# Altium PCB knixx_HAT_00.PcbDoc
Units mm, origin at the board's own origin, x right, y up, seen from the top; angles counter-clockwise.
Board outline 65 x 56 mm, 2 copper layers (Top Layer, Bottom Layer), stack 1.571 mm thick; 56 components, 55 nets, 214 pads, 43 vias.
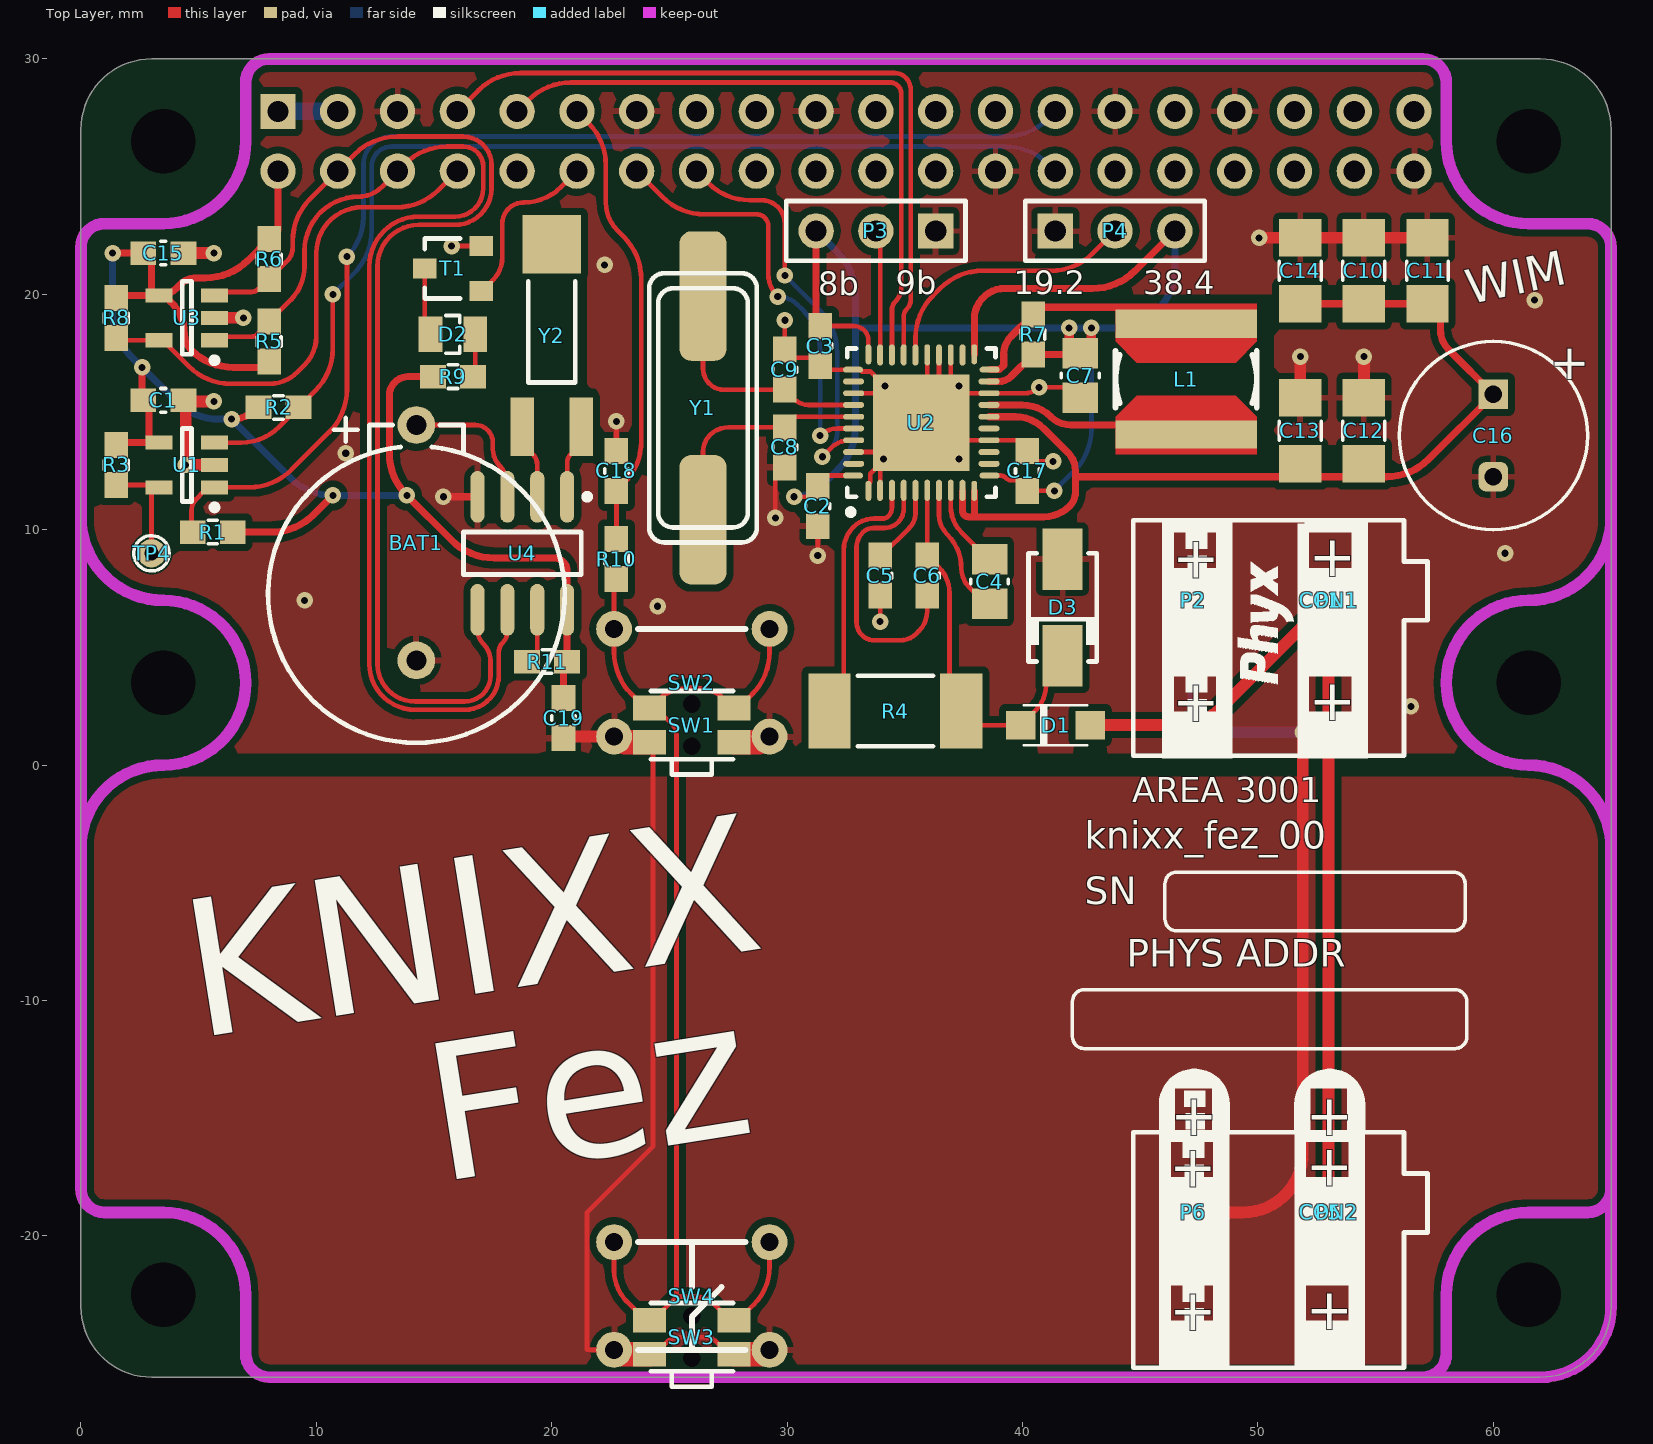
[diagram p0: Top Layer view]
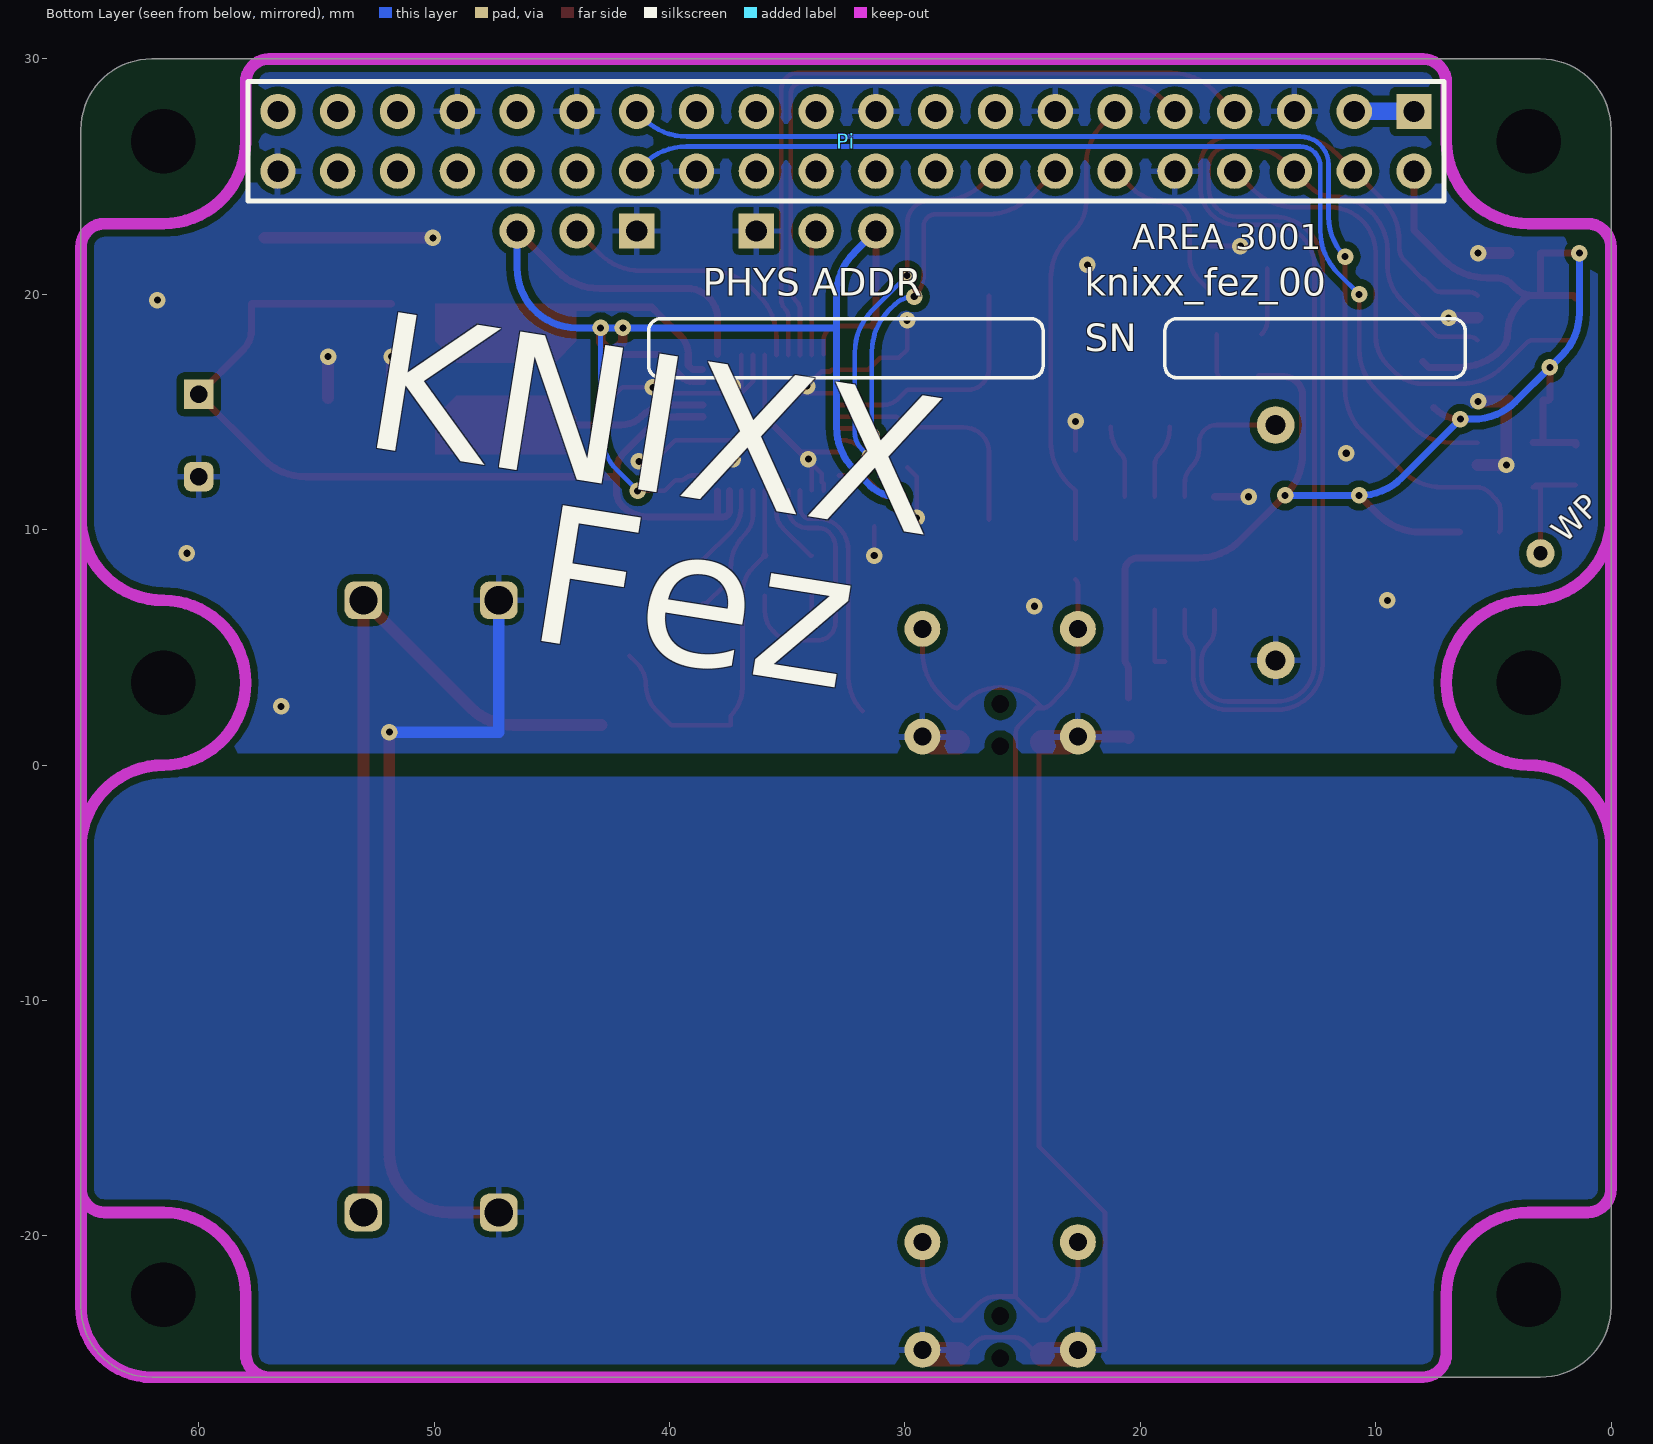
[diagram p1: Bottom Layer view, seen from below]
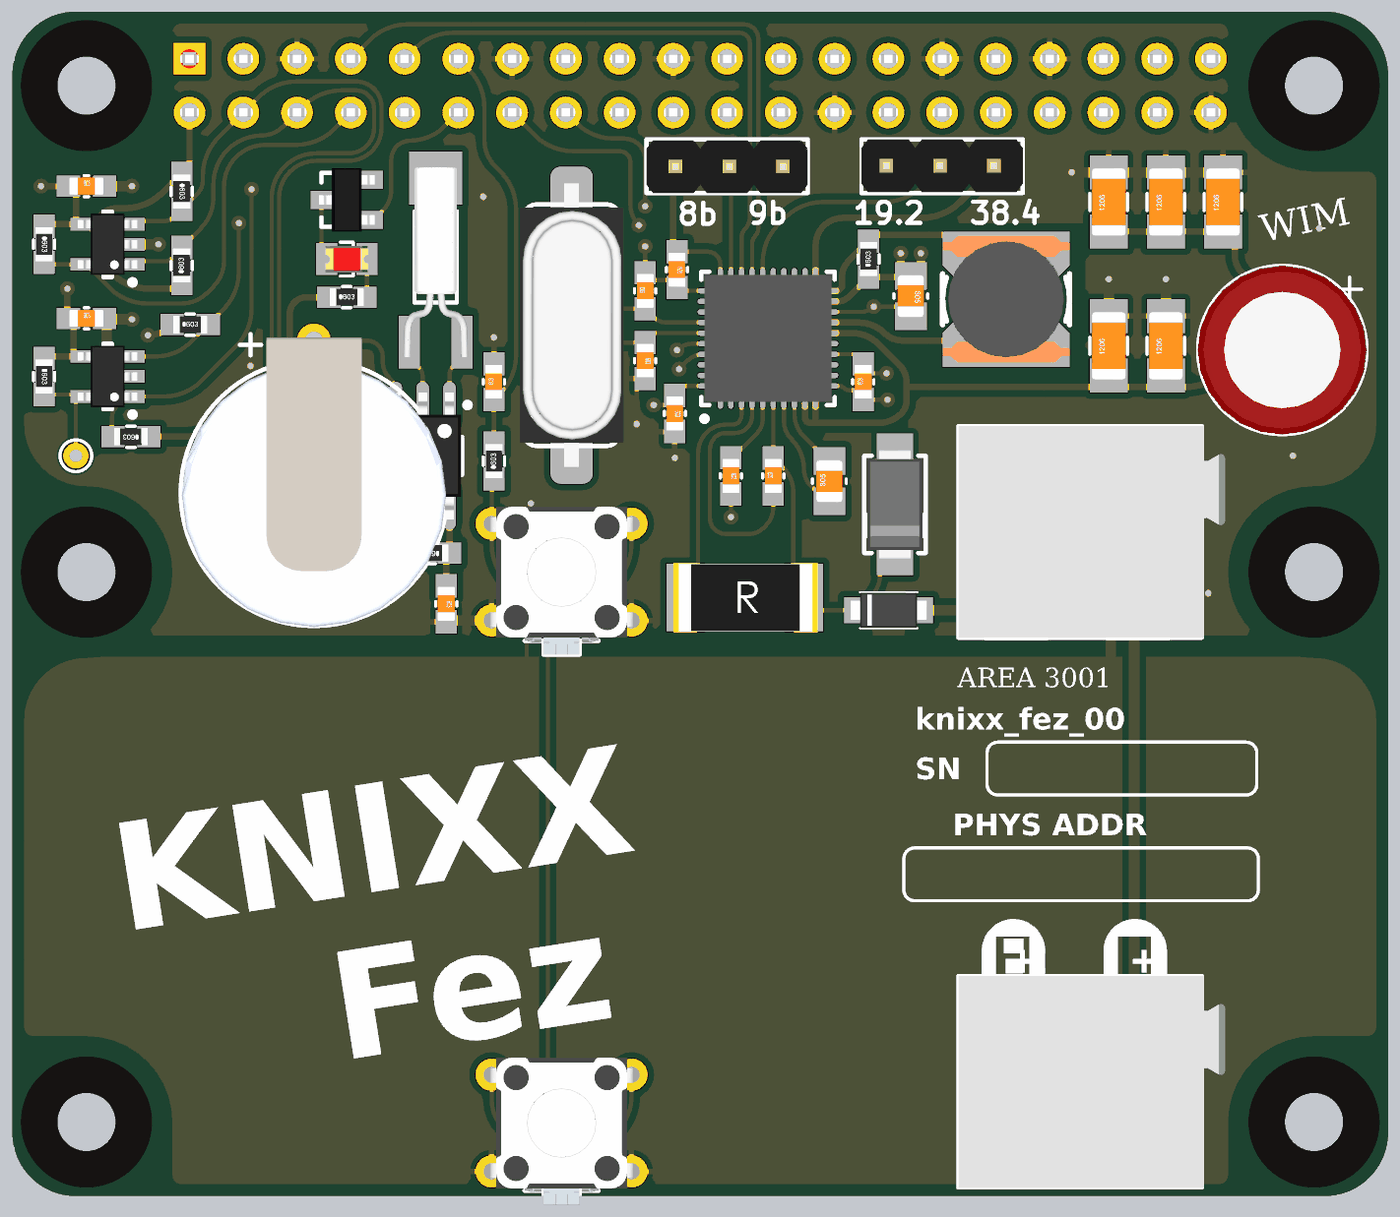
[diagram p2: 3D render of the assembled board from above, using the file's embedded part models]

## Layer stack, top to bottom
Top Solder: solder mask 0.0102, Solder Resist, Dk 3.5
Top Layer: signal copper 0.0356
Dielectric1: core 1.5, FR-4, Dk 4.8
Bottom Layer: signal copper 0.0356
Bottom Solder: solder mask 0.0102, Solder Resist, Dk 3.5

## Board outline
0,-23 0,27 cw(c3,27) 3,30 62,30 cw(c62,27) 65,27 65,-23 cw(c62,-23) 62,-26 3,-26 cw(c3,-23)

## Design rules (kind name [scope] priority, off if disabled: settings)
Clearance Clearance_GND_POLY [InNamedPolygon('B_GND')] p1: gap=0.4 ignorepadtopadclearanceinfootprint=FALSE except(0: Arc-Hole Track-Hole SMDPad-Hole THPad-Hole Via-Hole Fill-Hole Poly-Hole Region-Hole Text-Hole)
Clearance [All] p2: gap=0.15 ignorepadtopadclearanceinfootprint=FALSE except(0: Arc-Hole Track-Hole SMDPad-Hole THPad-Hole Via-Hole Fill-Hole Poly-Hole Region-Hole Text-Hole; 0.3: Arc-Poly Track-Poly SMDPad-Poly THPad-Poly Via-Poly Fill-Poly Poly-Poly)
HoleSize [All] p1: absolutevalues=TRUE maxlimit=10 minlimit=0.025 maxpercent=80.000 minpercent=20.000
PolygonConnect PolygonConnect_VIA [IsVia] p1: connectstyle=Direct reliefconductorwidth=0.254 reliefentries=4 polygonreliefangle="90 Angle" airgapwidth=0.254
PolygonConnect [All] p2: connectstyle=Relief reliefconductorwidth=0.254 reliefentries=4 polygonreliefangle="90 Angle" airgapwidth=0.254
RoutingVias [All] p1: holewidth=0.3 width=0.7 viastyle="Through Hole" minholewidth=0.3 minwidth=0.7 maxholewidth=0.6 maxwidth=1.2
SilkToSolderMaskClearance SilkscreenOverComponentPads [IsPad] p1: minsilkscreentomaskgap=0.254 clearancetoexposedcopper=TRUE
SolderMaskExpansion [All] p1: expansion=0.05
Width [All] p1: maxlimit=2 minlimit=0.15 preferedwidth=0.25
28 further rules are at their usual default settings.

## Classes and differential pairs
net class POWER: 3V3 NetL1_2

## Components (designator, comment, footprint, x,y, rotation, side; value= is the part's Value field where it differs from the comment)
BAT1 "BR-1220/HFN 35mAh" BR-1220_HFN 14.25,7.25 r90 top value=1220
C1 "CAP_CERAMIC" C0603_N 3.5,15.5 r0 top value="100nF 16V"
C2 "CAP_CERAMIC" C0603_N 31.3,11 r270 top value="10nF 16V"
C3 "CAP_CERAMIC" C0603_N 31.4,17.8 r270 top value="10nF 16V"
C4 "CAP_CERAMIC" C0805_N 38.6,7.8 r90 top value="220nF 50V"
C5 "CAP_CERAMIC" C0603_N 33.95,8.05 r270 top value="100nF 50V"
C6 "CAP_CERAMIC" C0603_N 35.95,8.05 r90 top value="47nF 50V"
C7 "CAP_CERAMIC" C0805_N 42.45,16.55 r270 top value="10uF 10V"
C8 "CAP_CERAMIC" C0603_N 29.9,13.5 r270 top value=12pF
C9 "CAP_CERAMIC" C0603_N 29.9,16.8 r90 top value=12pF
C10 "CAP_CERAMIC" C1206_N 54.5,21 r90 top value="22uF 35V"
C11 "CAP_CERAMIC" C1206_N 57.2,21 r90 top value="22uF 35V"
C12 "CAP_CERAMIC" C1206_N 54.5,14.2 r90 top value="22uF 35V"
C13 "CAP_CERAMIC" C1206_N 51.8,14.2 r90 top value="22uF 35V"
C14 "CAP_CERAMIC" C1206_N 51.8,21 r90 top value="22uF 35V"
C15 "CAP_CERAMIC" C0603_N 3.5,21.75 r0 top value="100nF 16V"
C16 "CAP_POL" C_8x11.5_3.5mm 60,14 r270 top value="100uF 50V"
C17 "CAP_CERAMIC" C0603_N 40.2,12.5 r90 top value="100nF 16V"
C18 "CAP_CERAMIC" C0603_N 22.75,12.5 r90 top value="10nF 16V"
C19 "CAP_CERAMIC" C0603_N 20.5,2 r270 top value="100nF 16V"
CON1 "CONNECTOR FOR EIB APPLICATIONS PUSH-WIRE® CONNECTION" WAGO_243-211 53,7 r180 top value=243-211
CON2 "CONNECTOR FOR EIB APPLICATIONS PUSH-WIRE® CONNECTION" WAGO_243-211 53,-19 r180 top value=243-211
D1 "NTS260SFT1G  Schottky Rectifier, Single, 60 V, 2 A, SOD-123, 650 mV" ON_SOD-123FL 41.4,1.7 r0 top value=NTS260SFT1G
D2 "Default 0805 Red LED" LED_0805_RD 15.8,18.3 r180 top
D3 "TVS Diode 40V 400W Unidirectional DO-214AC" SMA_AC 41.7,6.7 r270 top value=1SMA40AT3G
L1 "220µH INDUCTOR" IND_6045 46.95,16.4 r90 top value="220µH IND"
P1 "SOLDER PIN FOR PCBS UP TO 2 MM" WAGO_243-131 53,7 r0 top value=243-131
P2 "SOLDER PIN FOR PCBS UP TO 2 MM" WAGO_243-131 47.25,7 r0 top value=243-131
P3 "Header 3" HDR1X3 36.31,22.69 r180 top
P4 "Header 3" HDR1X3 41.39,22.69 r0 top
P5 "SOLDER PIN FOR PCBS UP TO 2 MM" WAGO_243-131 53,-19 r0 top value=243-131
P6 "SOLDER PIN FOR PCBS UP TO 2 MM" WAGO_243-131 47.25,-19 r0 top value=243-131
Pi "Header 20X2" RCPT2X20 32.5,26.5 r0 bottom locked
R1 "RESISTOR" R0603_N 5.6,9.9 r180 top value=1K
R2 "RESISTOR" R0603_N 8.4,15.2 r0 top value=1K
R3 "RESISTOR" R0603_N 1.5,12.75 r270 top value=1K
R4 "RESISTOR" R2512 34.6,2.3 r0 top value=27R
R5 "RESISTOR" R0603_N 8,18 r90 top value=1K
R6 "RESISTOR" R0603_N 8,21.5 r270 top value=1K
R7 "RESISTOR" R0603_N 40.45,18.3 r90 top value=1R
R8 "RESISTOR" R0603_N 1.5,19 r270 top value=1K
R9 "RESISTOR" R0603_N 15.8,16.5 r0 top value=270R
R10 "RESISTOR" R0603_N 22.75,8.75 r90 top value=100R
R11 "RESISTOR" R0603_N 19.8,4.4 r180 top value=1K
SW1 "LP RA SMD tact sw W/BOSS" EVQP7M01K 25.95,1.7 r0 top value=EVQP7M01K
SW2 "Default TH TACT" TACTSW 25.95,3.5 r270 top
SW3 "LP RA SMD tact sw W/BOSS" EVQP7M01K 25.95,-24.3 r0 top value=EVQP7M01K
SW4 "Default TH TACT" TACTSW 25.95,-22.55 r270 top
T1 "0.2A N-Ch MOSFET Vgs 3.2" SOT23-3 15.8,21.1 r90 top value=BSS138
TP4 "TEST_PAD" TP_1.2mm_0.6mm 3,9 r90 top value="NO BOM"
U1 "Serial EEPROM 64K (8b) SOT35 I2C" SOT23-5 4.5,12.75 r180 top value=24LC64T-I/OT
U2 "KNX Transceiver for Twisted Pair Networks" ONS_QFN40_6x6 35.7,14.55 r90 top value=NCN5121
U3 "Serial EEPROM 64K (8b) SOT35 I2C" SOT23-5 4.5,19 r180 top value=24LC64T-I/OT
U4 "I2C RTC Ti BQ32000" SOIC_N_8 18.75,9 r270 top value=BQ32000DR
Y1 "16MHz 20pF HC49S Fox" HC49US_SMD 26.425,15.175 r270 top value=16MHz
Y2 "32.768Khz CMR200 12.5pF" CMR200T 20,18.25 r270 top value=32.768KHz

## Footprints (in the part's own frame and the unit in brackets; to place one, negate y for a bottom-side part, rotate by r counter-clockwise, add the part's x,y. Pads: shape width x height; smd on the part's side, far side on the other; paste and mask are expansions set on the pad)
BR-1220_HFN [mm] "Panasonic BR-1220 coin cell, horizontal mounted"
  round 1.6 hole 0.85: 1(7.2,0) 2(-2.8,0)
  silkscreen extent -6.3,-6.3 7.5,6.3, body extent -6.35,-6.25 7.35,6.25, height 4.7
C0603_N [mm] "Low density"
  rect 1.1x1 smd: 1(-0.85,0) 2(0.85,0)
  silkscreen extent -0.1,-0.5 0.1,0.5, body extent -0.8,-0.4 0.8,0.4, height 0.3
C0805_N [mm] "Low density"
  rect 1.3x1.5 smd: 1(-0.95,0) 2(0.95,0)
  silkscreen extent -0.1,-0.8 0.1,0.8, body extent -1,-0.62 1,0.63, height 0.78
C1206_N [mm] "low density"
  rect 1.6x1.8 smd: 1(-1.4,0) 2(1.4,0)
  silkscreen extent -0.4,-0.89 0.4,0.89, body extent -1.6,-0.8 1.6,0.8, height 1
C_8x11.5_3.5mm [mm] "Capacitor, Electrolytic, Radial; Body 8 x 11.5mm; 3.5mm pitch"
  rect 1.25x1.25 hole 0.75: 1(-1.75,0)
  rrect50% 1.25x1.25 hole 0.75: 2(1.75,0)
  silkscreen extent -4,-4 4,4, body extent -4,-4 4,4, height 12
CMR200T [mm] "CMR200T crystal"
  rect 2.5x1 smd: 1(3.875,-1.25) 2(3.875,1.25)
  rect 2.5x2.5 smd: 3(-3.875,0)
  silkscreen extent -2.3,-1 2,1, body extent -4.4,-1.53 4.58,1.53, height 2
EVQP7M01K [mm]
  round 0 hole 0.75 unplated: 0(0,-0.9) 0(0,0.9)
  rect 1.4x1.05 smd: 1(-1.8,0.725) 1(1.8,0.725) 2(-1.8,-0.725) 2(1.8,-0.725)
  silkscreen extent -1.75,-2.1 1.75,1.45, body extent -2.15,-2.1 2.15,1.59, height 1.31
HC49US_SMD [mm]
  rrect50% 5.5x2 smd: 1(4.75,0) 2(-4.75,0)
  silkscreen extent -5.71,-2.29 5.71,2.29, body extent -6.7,-2.45 6.7,2.45, height 5.08
HDR1X3 [mm] "Connector; Header; 3 Position"
  rect 1.5x1.5 hole 0.9: 1(0,0)
  round 1.5 hole 0.9: 2(2.54,0) 3(5.08,0)
  silkscreen extent -1.27,-1.27 6.35,1.27, body extent -1.27,-1.23 6.35,1.27, height 8.2
IND_6045 [mm] "TDK 6x6mm Inductor 4.5mm height"
  rect 1.2x6 smd: 1(-2.35,0) 2(2.35,0)
  Top Layer region: -0.7,2.1 -1.6,3 -3.2,3 -3.2,-3 -1.6,-3 -0.7,-2.1
  Top Layer region: 0.7,2.1 1.6,3 3.2,3 3.2,-3 1.6,-3 0.7,-2.1
  silkscreen extent -1.2,-3 1.2,3, body extent -3,-3 3,3, height 4.5
LED_0805_RD [mm] "0805 LED RED"
  rect 1x1.5 smd: 1(-0.95,0) 2(0.95,0)
  silkscreen extent -0.3,-0.8 0.3,0.8, body extent -1.01,-0.62 1.01,0.63, height 1.1
ON_SOD-123FL [mm] "ON_SOD-123FL"
  rect 1.25x1.22 smd: 1(-1.475,0) 2(1.475,0)
  silkscreen extent -1.35,-0.85 1.35,0.85, body extent -1.8,-0.82 1.8,0.83, height 0.95
ONS_QFN40_6x6 [mm] "QFN, 40-Leads, Body 6,00x6,00mm, Pitch 0,50mm, Thermal Pad 4,10x4,10mm, IPC Medium Density"
  oval 0.85x0.25 smd: 1(-2.9,2.25) 10(-2.9,-2.25) 21(2.9,-2.25) 30(2.9,2.25)
  oval 0.9x0.25 smd: 2(-2.875,1.75) 3(-2.875,1.25) 4(-2.875,0.75) 5(-2.875,0.25) 6(-2.875,-0.25) 7(-2.875,-0.75) 8(-2.875,-1.25) 9(-2.875,-1.75) 22(2.875,-1.75) 23(2.875,-1.25) 24(2.875,-0.75) 25(2.875,-0.25) 26(2.875,0.25) 27(2.875,0.75) 28(2.875,1.25) 29(2.875,1.75)
  oval 0.25x0.85 smd: 11(-2.25,-2.9) 20(2.25,-2.9) 31(2.25,2.9) 40(-2.25,2.9)
  oval 0.25x0.9 smd: 12(-1.75,-2.875) 13(-1.25,-2.875) 14(-0.75,-2.875) 15(-0.25,-2.875) 16(0.25,-2.875) 17(0.75,-2.875) 18(1.25,-2.875) 19(1.75,-2.875) 32(1.75,2.875) 33(1.25,2.875) 34(0.75,2.875) 35(0.25,2.875) 36(-0.25,2.875) 37(-0.75,2.875) 38(-1.25,2.875) 39(-1.75,2.875)
  rect 4.1x4.1 smd: 41(0,0)
  silkscreen extent -3.92,-3.15 3.15,3.15, body extent -3,-3 3,3, height 0.8
R0603_N [mm] "Low density"
  rect 1.1x1 smd: 1(-0.85,0) 2(0.85,0)
  silkscreen extent -0.2,-0.5 0.2,0.5, body extent -0.8,-0.41 0.8,0.41, height 0.45
R2512 [mm] "R2512"
  rect 1.8x3.2 smd: 1(-2.8,0) 2(2.8,0)
  silkscreen extent -1.6,-1.5 1.6,1.5, body extent -3.36,-1.65 3.44,1.65, height 0.64
RCPT2X20 [mm] "Connector; Receptable; 20x2 Position"
  rect 1.5x1.5 hole 0.9: 1(-24.13,-1.27)
  round 1.5 hole 0.9: 2(-24.13,1.27) 3(-21.59,-1.27) 4(-21.59,1.27) 5(-19.05,-1.27) 6(-19.05,1.27) 7(-16.51,-1.27) 8(-16.51,1.27) 9(-13.97,-1.27) 10(-13.97,1.27) 11(-11.43,-1.27) 12(-11.43,1.27) 13(-8.89,-1.27) 14(-8.89,1.27) 15(-6.35,-1.27) 16(-6.35,1.27) 17(-3.81,-1.27) 18(-3.81,1.27) 19(-1.27,-1.27) 20(-1.27,1.27) 21(1.27,-1.27) 22(1.27,1.27) 23(3.81,-1.27) 24(3.81,1.27) 25(6.35,-1.27) 26(6.35,1.27) 27(8.89,-1.27) 28(8.89,1.27) 29(11.43,-1.27) 30(11.43,1.27) 31(13.97,-1.27) 32(13.97,1.27) 33(16.51,-1.27) 34(16.51,1.27) 35(19.05,-1.27) 36(19.05,1.27) 37(21.59,-1.27) 38(21.59,1.27) 39(24.13,-1.27) 40(24.13,1.27)
  silkscreen extent -25.4,-2.54 25.4,2.54, body extent -25.52,-2.5 25.53,2.5, height 8.5
SMA_AC [mm] "DO-214AC or SMA footprint with A and C pads"
  rect 2.6x1.7 smd: A(-2.05,0) C(2.05,0)
  silkscreen extent -2.3,-1.45 2.3,1.45, body extent -2.6,-1.3 2.6,1.3, height 2.3
SOIC_N_8 [mm] "150 mil body width"
  oval 2.2x0.6 smd: 1(-2.4,1.905) 2(-2.4,0.635) 3(-2.4,-0.635) 4(-2.4,-1.905) 5(2.4,-1.905) 6(2.4,-0.635) 7(2.4,0.635) 8(2.4,1.905)
  silkscreen extent -2.52,-2.5 0.9,2.88, body extent -3,-2.45 3,2.45, height 1.75
SOT23-3 [mm] "SOT-23; 3 Leads; Body 3.1 x 2.5 mm, inc. leads (LxW max)"
  rect 0.85x1 smd: 1(-0.95,-1.2) 2(0.95,-1.2) 3(0,1.2)
  silkscreen extent -1.27,-0.3 1.28,1.2, body extent -1.5,-1.32 1.5,1.32, height 1.08
SOT23-5 [mm] "SOT23, 5-Leads, Body 3,1x3,2mm (max), Pitch 0,95mm, IPC Medium Density"
  rect 1.15x0.6 smd: 1(-1.175,0.95) 2(-1.175,0) 3(-1.175,-0.95) 4(1.175,-0.95) 5(1.175,0.95)
  silkscreen extent -1.3,-1.55 0.2,1.92, body extent -1.4,-1.45 1.4,1.45, height 1.45
TACTSW [mil]
  round 60 hole 30: 1(-90,130) 1(-90,-130) 2(90,130) 2(90,-130)
  silkscreen extent -90,-90 -90,90, body extent -122,-155 122,155, height 170
TP_1.2mm_0.6mm [mm] "1.2mm pad, 0.6mm hole"
  round 1.2 hole 0.6 mask+0.05: 1(0,0)
  silkscreen extent -0.75,-0.75 0.75,0.75
WAGO_243-131 [mm]
  rrect50% 1.6x1.6 hole 1.2: 1(0,0)
  silkscreen extent -1.15,-1.15 1.15,1.15, body extent -1,-0.99 1,1, height 9
WAGO_243-211 [mm]
  silkscreen extent -4.2,-3.4 8.3,6.6, body extent -4.3,-3.4 8.3,6.6, height 10.05

## Part data
BAT1: library part "BAT BR-1220/HFN", "=Description", Supplier Part Number 1=1892653, Supplier 1=Farnell
C1 C15 C17 C19: library part "CAP # 100nF 16V 0603", "Capacitor Ceramic"
C2 C3 C18: library part "CAP # 10nF 16V 0603", "Capacitor Ceramic"
C4: library part "CAP # 220nF 50V 0805", "Capacitor Ceramic", Supplier Part Number 1=2496964, Supplier 1=Farnell
C5: library part "CAP # 100nF 50V 0603", "Capacitor Ceramic", Supplier Part Number 1=1759122, Supplier 1=Farnell
C6: library part "CAP # 47nF 50V 0603", "Capacitor Ceramic", Supplier Part Number 1=2496867, Supplier 1=Farnell
C7: library part "CAP # 10uF 10V 0805", "Capacitor Ceramic", Supplier Part Number 1=2320859, Supplier 1=Farnell
C8 C9: library part "CAP # 12pF 50V 0402", "Capacitor Ceramic", Supplier Part Number 1=2310489, Supplier 1=Farnell
C10 C11 C12 C13 C14: library part "CAP # 22uF 35V 1206 X5R", "Capacitor Ceramic", Supplier Part Number 1=445-8045-1-ND, Supplier 1=Digikey
C16: library part "CAP 100uF 50V 8x11mm", "Capacitor electrolyt", Supplier Part Number 1=9693793, Supplier 1=Farnell
CON1 CON2: library part "Wago 243-211 Connector EIB"
D1: library part "Schottky # NTS260SFT1G", "=Description", Supplier Part Number 1=2473419, Supplier 1=Farnell
D2: library part "LED # Red 0805", "=Description", Supplier Part Number 1=2099236, Supplier 1=Farnell
D3: library part "TVS # UNI 40V 1SMA40AT3G", "=Description", Supplier Part Number 1=2533119, Supplier 1=Farnell
L1: library part "IND # 10uH 5.2x5.2mm SRU5028-100Y", Supplier Part Number 1=xxx, Supplier 1=Farnell
P1 P2 P5 P6: library part "Wago 234-131 Solder pin"
P3 P4: library part "Pin Header 2.54mm 3way"
Pi: library part "Receptable 2.54mm dual row 40way", "=Description"
R1 R2 R3 R5 R6 R8 R11: library part "RES # 1K 0603"
R4: library part "RES # 27R 2512"
R7: library part "RES # 1R 0402"
R9: library part "RES # 270R 0603", Supplier Part Number 1=2497841, Supplier 1=Farnell
R10: library part "RES # 100R 0603"
SW1 SW3: library part "SW # EVQP7M01K", Supplier 1=Farnell
SW2 SW4: library part "SW TACT"
T1: library part "BSS138 N-Ch MOSFET 0.2A 3.2Vgs 60Vds", Supplier Part Number 1=2432717, Supplier 1=Farnell
TP4: library part "TP 1.2mm"
U1 U3: library part "EEPROM # I2C 8Kx8b 24LC64T-I/OT", "=Description", Supplier Part Number 1=1700992, Supplier 1=Farnell
U2: library part "KNX # NCN5121", "=Description"
U4: library part "RTC # BQ32000", "=Description", Supplier Part Number 1=1754773, Supplier 1=Farnell
Y1: library part "XTAL # 16Mhz HC49S", "Crystal Oscillator", Supplier Part Number 1=2058001, Supplier 1=Farnell
Y2: library part "XTAL # 32.768Khz 12.5pF CMR200", "Crystal Oscillator", Supplier Part Number 1=2101359, Supplier 1=Farnell

## Free pads (board coordinates)
  round 1.3 hole 2.75 unplated mask+2.45: 0(3.5,-22.5) 0(3.5,3.5) 0(3.5,26.5) 0(61.5,-22.5) 0(61.5,3.5) 0(61.5,26.5)

## Via types
v1: diameter 0.7, hole 0.3, Top Layer to Bottom Layer, tented top, 43 vias

## Nets (pads, with @x,y where several pads share a name; then routed paths per layer and width w, separated by ;. In a path a pad name is that pad's centre, name@x,y a point inside that pad or via, vN(x,y) a via of type N, cw(c..) or ccw(c..) an arc to the next point about the centre after c; other vN are vias at no path point)
3V3: C2.1 C3.1 C7.1 C17.1 P3.3 P4.3 R7.1 U2.11 U2.19 U2.21 U2.30 U2.40 | length 69
  Top Layer w0.2: v1(30.3,11.4) 30.85,11.4 C2.1 31.75,12.3 U2.40 ; C3.1@31.2,18.65 C3.1 32.85,18.65 cw(c32.85,18.05) 33.45,18.05 U2.30 ; U2.11 39.059,12.3 cw(c39.059,11.959) 39.3,12.2 ccw(c39.541,12.441) 39.541,12.1 ; 39.575,12.1 39.541,12.1 ; v1(41.35,11.65) C17.1 39.75,12.1 39.541,12.1
  Top Layer w0.3: P3.3 31.23,19.06 ccw(c31.81,19.06) C3.1 ; U2.21 37.95,18.95 cw(c39.25,18.95) 39.25,20.25 42.978,20.25 ccw(c42.978,22.79) 44.774,20.994 P4.3 ; U2.19 39.017,16.3 ccw(c39.017,16.983) 39.5,16.5 R7.1 42.4,17.45 C7.1
  Top Layer w0.4: v1(41.975,18.575) 41.975,17.975 C7.1 42.925,17.975 v1(42.925,18.575)
  Bottom Layer w0.2: v1(41.35,11.65) 42.181,12.481 ccw(c40.385,14.277) 42.925,14.277 v1(42.925,18.575)
  Bottom Layer w0.3: v1(30.3,11.4) ccw(c30.3,13.09) 31.495,11.895 32.156,12.556 ccw(c30.36,14.352) 32.9,14.352 32.9,18.575 ; P3.3 32.156,21.764 cw(c30.36,19.968) 32.9,19.968 32.9,18.575 ; P4.3 46.47,21.115 cw(c43.93,21.115) 43.93,18.575 v1(42.925,18.575) v1(41.975,18.575) 32.9,18.575
3V3_PI: C1.1 C15.1 C19.1 Pi.2 R1.1 R2.1 R3.1 R5.1 R6.1 R8.1 R9.1 R11.1 U1.4 U3.4 U4.8 | length 74.1
  Top Layer w0.3: v1(1.35,21.75) C15.1 3,21.75 U3.4@3,19.95 ; R3.1 1.5,13.7 U1.4@2.9,13.7 ; R8.1 1.6,19.95 U3.4@3,19.95 ; v1(2.6,16.9) 2.6,15.55 C1.1 2.9,15.5 U1.4@2.9,13.7 ; U1.4 U1.4@2.9,13.7 ; v1(6.4,14.7) ccw(c6.4,16.269) 7.51,15.16 R2.1 ; R1.1 8.092,9.9 ccw(c8.092,12.44) 9.888,10.644 v1(10.7,11.456) ; 7.093,21.443 7.2,21.55 ; R5.1 7.75,16.9 6.468,16.9 cw(c6.468,19.44) 4.672,17.644 cw(c5.328,18.3) 4.4,18.3 ccw(c2.469,18.3) 3.834,19.666 3.709,19.791 ccw(c3.325,19.407) U3.4 ; Pi.2 8.37,22.72 R6.1 7.092,21.442 cw(c5.3,23.235) 5.3,20.7 4.9,20.7 ccw(c4.9,19.734) 4.673,20.673 ccw(c4.9,19.734) 4.217,20.417 4.051,20.251 cw(c3.325,20.976) U3.4 ; 13.1,14.1 13.1,13.252 ; R9.1 13.9,16.5 ccw(c13.9,15.7) 13.1,15.7 13.1,13.252 ; 19,8.8 17.552,8.8 ; C19.1 20.5,4.038 cw(c21.012,4.038) R11.1 20.655,4.405 U4.8 20.655,8.245 ccw(c20.1,8.245) 20.1,8.8 17.552,8.8 ; U3.4@3,19.95 U3.4 ; 13.1,13.252 ccw(c15.64,13.252) v1(13.844,11.456) 15.756,9.544 ccw(c17.552,11.34) 17.552,8.8
  Bottom Layer w0.3: 1.35,20.25 1.35,19.202 ; v1(1.35,21.75) 1.35,19.202 ; v1(13.844,11.456) v1(10.7,11.456) 10.696,11.456 cw(c10.696,13.996) 8.9,12.2 v1(6.4,14.7) 5.852,14.7 cw(c5.852,17.24) 4.056,15.444 v1(2.6,16.9) 2.094,17.406 cw(c3.89,19.202) 1.35,19.202
3V3_PI2: Pi.18
5V_PI: Pi.1 Pi.3 | length 2.5
  Bottom Layer w0.75: Pi.1 Pi.3
BTN: C18.1 Pi.11 R10.2 | length 19.3
  Top Layer w0.2: Pi.11 21.556,27.284 cw(c19.76,25.488) 22.3,25.488 22.3,23.907 ccw(c24.007,23.907) 22.8,22.7 23.056,22.444 cw(c21.26,20.648) 23.8,20.648 23.8,13.752 cw(c21.26,13.752) 23.056,11.956 C18.1 R10.2
BUS.RST: Pi.16 U2.37 | length 17.2
  Top Layer w0.2: Pi.16 26.659,24.721 ccw(c28.4,26.462) 28.4,24 28.9,24 cw(c28.9,23) 29.9,23 v1(29.9,20.8) ; v1(31.5,13.1) 31.9,13.5 cw(c32.624,12.776) 32.624,13.8 U2.37
  Bottom Layer w0.2: v1(29.9,20.8) 31.381,19.319 cw(c29.585,17.523) 32.125,17.523 32.125,14.114 cw(c31.186,14.114) 31.851,13.451 ; v1(31.5,13.1) 31.85,13.45
BUS.SAVE: Pi.14 U2.36 | length 17.9
  Top Layer w0.2: Pi.14 24.696,24.144 ccw(c26.492,25.94) 26.492,23.4 28.7,23.4 cw(c28.7,22.9) 29.2,22.9 29.2,20.866 ccw(c30.566,20.866) v1(29.6,19.9) ; v1(31.4,14) cw(c32.124,13.276) 32.124,14.3 U2.36
  Bottom Layer w0.2: v1(29.6,19.9) cw(c29.6,18.693) 30.454,19.546 30.656,19.344 cw(c28.86,17.548) 31.4,17.548 v1(31.4,14)
GND: BAT1.2 C1.2 C2.2 C3.2 C5.2 C7.2 C8.2 C9.2 C10.2 C11.2 C12.2 C13.2 C14.2 C15.2 C16.2 C17.2 C18.2 C19.2 D3.A P2.1 P3.1 P4.1 P6.1 Pi.5 Pi.10 Pi.13 Pi.19 Pi.26 Pi.29 Pi.33 Pi.40 SW1.2 SW2.2 SW3.2 SW4.2 T1.2 U1.2 U2.1 U2.2 U2.14 U2.18 U2.23 U2.24 U2.25 U2.31 U2.33 U2.38 U2.41 U3.2 U4.4 | length 136.6
  Top Layer w0.2: v1(15.75,22.05) T1.2 ; SW4.2@22.648,-24.836 21.5,-24.836 21.5,-19 24.3,-16.2 24.3,0.975 SW1.2@24.15,0.975 ; C18.2 v1(22.75,14.6) ; SW3.2@24.15,-25.025 ccw(c24.15,-24.482) 24.534,-24.866 24.888,-24.512 cw(c25.4,-25.024) 25.4,-24.3 26.5,-24.3 cw(c26.5,-25.024) 27.012,-24.512 SW3.2@27.366,-24.866 ; v1(29.5,10.5) 29.5,12.25 C8.2 ; v1(29.9,18.9) C9.2 30.25,17.3 31.05,17.3 C3.2 31.55,16.8 U2.31 33.1,16.8 33.175,16.725 33.525,16.725 U2.41@34.45,15.8 ; v1(31.3,8.9) C2.2 ; U2.38 U2.41@34.45,13.3 ; U2.33 U2.41@34.45,15.8 ; U2.1 33.45,11.95 33.525,12.025 33.525,12.375 33.95,12.8 U2.2 ; v1(33.95,6.1) C5.2 ; U2.25 35.95,14.8 U2.41 ; U2.24 36.45,16.3 U2.41@36.95,15.8 ; U2.23 U2.41@36.95,15.8 ; v1(41.3,12.9) 40.65,12.9 C17.2 39.75,13.8 U2.14 36.45,13.8 U2.41 ; C7.2 42,16.05 v1(40.7,16.05) cw(c40.096,16.654) 40.096,15.8 U2.18 U2.41@36.95,15.8 ; U2.41@34.45,15.8 U2.41
  Top Layer w0.3: v1(15.4,11.4) U4.4 ; U2.41@33.95,12.8 34.45,13.3 U2.41
  Top Layer w0.5: C1.2 4.35,15.45 v1(5.65,15.45) ; C15.2 v1(5.65,21.75) ; C1.2@4.45,15.4 v1(4.45,12.75) U1.2 ; U3.2 v1(6.9,19) ; C19.2 20.5,1.214 SW2.2@22.648,1.214 ; P6.1 49.36,-19 ccw(c49.36,-16.46) 51.9,-16.46 v1(51.9,1.4) ; v1(50.05,22.4) C14.2 C10.2 C11.2 ; C13.2 v1(51.8,17.35) ; C12.2 v1(54.5,17.35)
  Top Layer w1.05: SW4.2@22.648,-24.836 ccw(c23.104,-24.38) 23.104,-25.025 SW3.2@24.15,-25.025 ; SW2.2@22.648,1.214 ccw(c23.225,1.791) 23.225,0.975 SW1.2@24.15,0.975 ; SW3.2@27.75,-25.025 28.796,-25.025 ccw(c28.796,-24.38) SW4.2@29.252,-24.836 ; SW1.2@27.75,0.975 28.675,0.975 ccw(c28.675,1.791) SW2.2@29.252,1.214
  Bottom Layer w0.5: P2.1 47.25,1.4 v1(51.9,1.4)
  other v1: 56.5,2.5 24.5,6.75 9.5,7 60.5,9 34.1,13 37.3,13 11.25,13.25 34.15,16.1 37.3,16.1 61.75,19.75 22.25,21.25
GPIO5: Pi.30
GPIO6: Pi.32
GPIO7: Pi.25
GPIO8: Pi.23
GPIO9: Pi.22
GPIO10: Pi.20
GPIO11: Pi.24
GPIO12: Pi.31
GPIO13: Pi.34
GPIO16: Pi.35
GPIO19: Pi.36
GPIO20: Pi.37
GPIO21: Pi.39
GPIO23: Pi.15
GPIO24: Pi.17
GPIO25: Pi.21
GPIO26: Pi.38
ID_SC: Pi.27 R1.2 U1.1 | length 50.3
  Top Layer w0.2: R1.2 cw(c4.87,10.02) 4.7,10.02 4.7,10.8 cw(c5.424,10.8) 4.912,11.312 5.206,11.606 cw(c5.675,11.136) U1.1 7.148,11.8 ccw(c7.148,14.34) 8.944,12.544 10.556,14.156 ccw(c8.76,15.952) 11.3,15.952 v1(11.3,21.6)
  Bottom Layer w0.2: v1(11.3,21.6) ccw(c9.61,23.29) 12,23.29 12,25.5 cw(c13.2,25.5) 13.2,26.7 39.268,26.7 ccw(c39.268,29.24) 41.064,27.444 Pi.27
ID_SD: Pi.28 R2.2 U1.3 | length 45.2
  Top Layer w0.2: U1.3 6.8,13.7 ccw(c6.8,15.994) 8.422,14.372 R2.2 9.956,15.906 ccw(c8.16,17.702) 10.7,17.702 v1(10.7,20)
  Bottom Layer w0.2: v1(10.7,20) 11.606,20.906 ccw(c9.81,22.702) 12.35,22.702 12.35,25.43 cw(c13.2,25.43) 13.2,26.28 39.288,26.28 cw(c39.288,23.74) 41.084,25.536 Pi.28
ID_WP: R3.2 TP4.1 U1.5 | length 5
  Top Layer w0.2: R3.2 3.225,11.9 U1.5 3,11.8 TP4.1
LED: Pi.12 T1.1 | length 7.3
  Top Layer w0.2: T1.1 ccw(c17,20.271) 17.085,20.185 17.5,20.6 ccw(c16.534,21.566) 17.9,21.566 17.9,23 cw(c18.8,23) 18.8,23.9 ccw(c18.8,26.17) 20.405,24.565 Pi.12
NetBAT1_1: BAT1.1 U4.3 | length 6.1
  Top Layer w0.2: BAT1.1 16.75,14.45 cw(c16.75,13.7) 17.5,13.7 17.5,13.424 ccw(c18.524,13.424) 17.8,12.7 cw(c17.04,11.94) 18.115,11.94 U4.3
NetC4_1: C4.1 U2.7 | length 5.6
  Top Layer w0.2: U2.7 36.45,10.645 ccw(c37.645,10.645) 36.8,9.8 cw(c35.351,8.351) 37.4,8.351 ccw(c38.49,8.351) 37.719,7.581 38.344,6.956 ccw(c38.6,7.212) C4.1
NetC4_2: C4.2 U2.8 | length 3.6
  Top Layer w0.2: U2.8 36.95,10.986 ccw(c38.486,10.986) 37.4,9.9 38.515,8.785 ccw(c38.6,8.871) C4.2
NetC5_1: C5.1 U2.5 | length 3.4
  Top Layer w0.2: C5.1 34.007,8.9 35.2,10.093 ccw(c34.596,10.696) 35.45,10.696 U2.5
NetC6_1: C6.1 U2.4 | length 11.7
  Top Layer w0.2: 33.212,9.887 ccw(c33.846,9.254) 32.95,9.254 32.95,6.068 ccw(c33.718,6.068) 33.175,5.525 ccw(c33.718,6.068) 33.718,5.3 34.8,5.3 ccw(c34.8,6.266) 35.483,5.583 35.6,5.7 ccw(c34.755,6.545) 35.95,6.545 C6.1 ; 33.213,9.887 cw(c33.665,9.435) 33.665,10.075 34.139,10.075 ccw(c34.139,10.886) 34.713,10.312 ccw(c34.139,10.886) 34.95,10.886 U2.4
NetC6_2: C6.2 D1.1 D3.C R4.2 U2.6 | length 16.5
  Top Layer w0.2: C6.2 36.44,8.41 cw(c35.331,7.3) 36.65,8.15 cw(c35.331,7.3) 36.9,7.3 36.9,3.307 ccw(c38.607,3.307) 37.4,2.1 37.4,1.7 D1.1 40.558,2.333 ccw(c39.491,3.4) 41,3.4 cw(c42.328,3.4) 41.389,4.339 D3.C ; C6.2 U2.6
NetC8_1: C8.1 U2.35 Y1.1 | length 10.1
  Top Layer w0.2: Y1.1 26.425,13.3 cw(c27.451,13.3) 26.726,14.026 26.738,14.038 cw(c27.492,13.283) 27.492,14.35 C8.1 30.35,14.8 U2.35
NetC9_1: C9.1 U2.34 Y1.2 | length 10.2
  Top Layer w0.2: Y1.2 26.425,16.864 ccw(c27.364,16.864) 26.7,16.2 ; 26.7,16.2 ccw(c27.304,16.804) 27.304,15.95 C9.1 30.303,15.547 ccw(c30.9,16.145) 30.499,15.401 ccw(c30.9,16.145) 30.9,15.3 U2.34
NetD1_2: D1.2 P1.1 P5.1 | length 38.2
  Top Layer w0.5: D1.2 46.648,1.7 ccw(c46.648,4.24) 48.444,2.444 P1.1 P5.1
NetD2_1: D2.1 R9.2 | length 1.8
  Top Layer w0.2: R9.2 ccw(c16.409,16.741) 16.75,16.741 D2.1
NetD2_2: D2.2 T1.3 | length 2.9
  Top Layer w0.2: T1.3 14.6,18.904 ccw(c15.454,18.904) D2.2
NetL1_1: L1.1 U2.17 | length 8.6
  Top Layer w0.3: U2.17 39.993,15.3 cw(c39.993,13.593) 41.2,14.8 ; 41.2,14.8 ccw(c42.045,15.645) 42.045,14.45 L1.1@46.95,14.45
NetL1_2: L1.2 R7.2 U2.20 | length 10.1
  Top Layer w0.3: U2.20 39.025,16.8 39.2,16.975 39.2,17.476 cw(c40.224,17.476) 39.5,18.2 R7.2 40.75,19.45 46.3,19.45 46.6,19.15 L1.2@46.95,19.15
NetR4_1: R4.1 U2.3 | length 10.8
  Top Layer w0.2: R4.1 ccw(c30.351,3.749) 32.4,3.749 32.4,9.129 cw(c33.779,9.129) 32.804,10.104 cw(c33.7,9.208) 33.7,10.475 34.059,10.475 ccw(c34.059,10.816) 34.3,10.575 ccw(c33.938,10.937) 34.45,10.937 U2.3
NetR10_1: R10.1 SW1.1 SW2.1 SW3.1 SW4.1 | length 52.1
  Top Layer w0.2: SW4.1@22.648,-20.264 22.648,-21.467 ccw(c24.533,-21.467) 23.199,-22.799 23.975,-23.575 24.15,-23.575 24.3,-23.575 25.3,-22.575 ; R10.1 ccw(c22.996,7.654) 22.648,7.654 22.648,5.786 22.648,4.804 ccw(c25.188,4.804) 23.392,3.008 23.851,2.549 ccw(c24.15,2.848) SW1.1@24.15,2.425 ; 26.9,-22.9 27.575,-23.575 27.75,-23.575 27.925,-23.575 28.589,-22.912 ccw(c26.987,-21.31) 29.252,-21.31 SW4.1@29.252,-20.264 ; 26.899,-22.899 ccw(c26.115,-23.685) 26.115,-22.575 25.3,-22.575 ; SW2.1@29.252,5.786 29.252,4.804 cw(c26.712,4.804) 28.508,3.008 28.049,2.549 cw(c27.75,2.847) 27.75,2.425 27.494,2.681 ccw(c26,1.188) 26,3.3 25.9,3.3 ccw(c25.9,1.188) 24.406,2.681 SW1.1@24.15,2.425 ; SW1.1@24.15,2.425 24.425,2.425 25.123,1.727 cw(c24.696,1.3) 25.3,1.3 25.3,-22.575
NetR11_2: R11.2 U4.7 | length 2.6
  Top Layer w0.2: R11.2 19.385,4.4 U4.7
NetU4_1: U4.1 Y2.2 | length 3.1
  Top Layer w0.2: U4.1 20.655,12.85 cw(c21.15,12.85) 20.8,13.2 ccw(c19.714,14.286) 21.25,14.286 Y2.2
NetU4_2: U4.2 Y2.1 | length 3.1
  Top Layer w0.2: Y2.1 18.75,14.286 ccw(c20.286,14.286) 19.2,13.2 cw(c18.753,12.753) 19.385,12.753 U4.2
RPI.RX: Pi.9 U2.28 | length 28.2
  Top Layer w0.2: Pi.9 19.016,28.256 cw(c20.812,26.46) 20.812,29 34.37,29 cw(c34.37,28.525) 34.845,28.525 34.845,20.291 cw(c34.009,20.291) 34.6,19.7 ccw(c34.962,19.338) 34.45,19.338 U2.28
RPI.TX: Pi.7 U2.27 | length 31.6
  Top Layer w0.2: Pi.7 16.876,28.656 cw(c18.672,26.86) 18.672,29.4 34.56,29.4 cw(c34.56,28.715) 35.245,28.715 35.245,19.75 cw(c34.75,19.75) 35.1,19.4 ccw(c35.462,19.038) 34.95,19.038 U2.27
SCL1: Pi.6 R5.2 U3.1 U4.6 | length 51.2
  Top Layer w0.2: U3.1 cw(c6.037,17.688) 6.037,18.2 7.259,18.2 ccw(c7.259,18.541) 7.5,18.3 R5.2@7.964,18.764 ; R5.2@7.965,18.765 ccw(c7.879,18.85) R5.2 8.9,19.75 ccw(c7.451,21.199) 8.901,19.751 ccw(c7.451,21.199) 9.5,21.199 9.5,21.85 cw(c11.796,21.85) 11.796,24.146 ccw(c11.796,25.523) 11.922,24.152 ccw(c11.796,25.523) 11.977,24.158 ccw(c11.796,25.523) 12.77,24.55 Pi.6 13.756,25.536 cw(c15.552,23.74) 15.552,26.28 16.24,26.28 cw(c16.24,25.43) 17.09,25.43 17.09,24.5 cw(c15.89,24.5) 15.89,23.3 14.35,23.3 ccw(c14.35,21.2) 12.25,21.2 12.25,4.3 ccw(c14.2,4.3) 14.2,2.35 16.3,2.35 ccw(c16.3,3.8) 17.75,3.8 17.75,4.802 cw(c18.313,4.802) 17.915,5.2 ; 17.915,5.2 ccw(c17.432,5.683) 18.115,5.683 U4.6
SDA1: Pi.4 R6.2 U3.3 U4.5 | length 49.8
  Top Layer w0.2: U3.3 cw(c6.037,19.588) 6.037,20.1 7.259,20.1 ccw(c7.259,20.441) 7.5,20.2 7.914,20.614 cw(c8,20.529) R6.2 8.75,21.4 ccw(c8.146,22.003) 9,22.003 9,22.268 cw(c11.54,22.268) 9.744,24.064 Pi.4 11.636,25.956 cw(c13.432,24.16) 13.432,26.7 16.2,26.7 ; 16.24,26.7 cw(c16.24,25.5) 17.44,25.5 17.44,24.5 cw(c15.89,24.5) 15.89,22.95 14.35,22.95 ccw(c14.35,21.2) 12.6,21.2 12.6,4.3 ccw(c14.2,4.3) 14.2,2.7 16.3,2.7 ccw(c16.3,3.8) 17.4,3.8 17.4,4.421 ccw(c16.376,4.421) 17.1,5.145 cw(c17.716,5.761) 16.845,5.761 U4.5
UC1: P4.2 U2.26 | length 11.4
  Top Layer w0.2: U2.26 35.45,18.148 cw(c37.99,18.148) 36.194,19.944 36.506,20.256 cw(c38.302,18.46) 38.302,21 41.188,21 ccw(c41.188,23.54) 42.984,21.744 P4.2
UC2: P3.2 U2.29 | length 5.3
  Top Layer w0.2: P3.2 cw(c33.335,22.255) 33.95,22.255 U2.29
VFILT: C10.1 C11.1 C12.1 C13.1 C14.1 C16.1 U2.9 U2.10 U2.16 | length 42.9
  Top Layer w0.3: U2.9 37.45,10.8 ccw(c37.7,10.8) 37.7,10.55 38,10.55 ; U2.10 37.95,10.6 38,10.55 ; U2.16 39.693,14.8 cw(c39.693,13.093) 40.9,14.3 ; 40.9,14.3 41.932,13.268 cw(c41.164,12.5) 42.25,12.5 42.25,12.25 ; C14.1 C10.1 C11.1 57.75,19.6 57.75,18.5 ccw(c58.957,18.5) 58.104,17.646 C16.1 57.244,12.994 cw(c55.448,14.79) 55.448,12.25 42.25,12.25 ; 38,10.55 40.914,10.55 ccw(c40.914,12.086) 42,11 ccw(c41.396,11.604) 42.25,11.604 42.25,12.25
WP: Pi.8 R8.2 U3.5 | length 21.5
  Top Layer w0.2: R8.2 1.6,18.05 U3.5 cw(c3.325,17.748) 3.538,17.962 3.538,17.987 4.581,16.944 ccw(c6.377,18.74) 6.377,16.2 8,16.2 ccw(c8,17.89) 8.781,16.391 ccw(c8,17.89) 9.195,16.695 9.5,17 ccw(c8.293,18.207) 10,18.207 10,21.75 cw(c11.95,21.75) 11.95,23.7 13.408,23.7 ccw(c13.408,26.24) 15.204,24.444 Pi.8
pads on no net: SW1.0 SW3.0 U2.12 U2.13 U2.15 U2.22 U2.32 U2.39 Y2.3

## Polygon pours and split planes (outlines as drawn)
GND on Top Layer "GND_L01_P002" (solid, remove dead copper, pour order 2): 0,30 0,0.5 66,0.5 66,30
GND on Top Layer "GND_L02_P000" (solid, remove dead copper, pour order 6): 0,-26 0,-0.5 65,-0.5 65,-26
GND on Bottom Layer "GND_L02_P000" (solid, remove dead copper, pour order 0): 0,30 0,0.5 66,0.5 66,30
GND on Bottom Layer "GND_L02_P000" (solid, remove dead copper, pour order 4): 0,-26 0,-0.5 65,-0.5 65,-26

## Keep-outs
Keep-Out Layer:
  lines w0.5: 0,-3.5 cw(c3.5,-3.5) 3.5,0 ccw(c3.5,3.5) 3.5,7 cw(c3.5,10.5) 0,10.5 ; 0,21.9 0,-18 ccw(c1,-18) 1,-19 3.5,-19 cw(c3.5,-22.5) 7,-22.5 7,-25 ccw(c8,-25) 8,-26 62,-26 ccw(c62,-23) 65,-23 65,22 ccw(c64,22) 64,23 61.5,23 cw(c61.5,26.5) 58,26.5 58,29 ccw(c57,29) 57,30 8,30 ccw(c8,29) 7,29 7,26.5 cw(c3.5,26.5) 3.5,23 1,23 ccw(c1,22) 0,22 ; 57,-26 ccw(c57,-25) 58,-25 58,-22.5 cw(c61.5,-22.5) 61.5,-19 64,-19 ccw(c64,-18) 65,-18 ; 65,-3.5 ccw(c61.5,-3.5) 61.5,0 cw(c61.5,3.5) 61.5,7 ccw(c61.5,10.5) 65,10.5
  text ".Layer_Name" at 305.5,-54 h3.5

## Other copper
Top Layer:
  pour cut-out: 43.4,20 50.7,20 50.7,12.6 43.4,12.6
  pour cut-out: 24.9,20.89 24.829,20.89 ccw(c24.829,20.2) 24.139,20.2 24.139,10.121 ccw(c24.8,10.121) 24.8,9.46 28.071,9.46 ccw(c28.071,10.1) 28.711,10.1 28.711,20.289 ccw(c28.1,20.289) 28.1,20.9
  pour cut-out: 18.75,23.5 ccw(c18.75,23.25) 18.5,23.25 18.5,16.25 cw(c18.25,16.25) 18.25,16 ccw(c18.25,15.75) 18,15.75 18,13.25 ccw(c18.25,13.25) 18.25,13 21.75,13 ccw(c21.75,13.25) 22,13.25 22,15.75 ccw(c21.75,15.75) 21.75,16 cw(c21.75,16.25) 21.5,16.25 21.5,23.3 ccw(c21.3,23.3) 21.3,23.5
  text ".Layer_Name" at 305.5,-54 h3.5
Bottom Layer:
  text ".Layer_Name" at 305.5,-54 h3.5

## Silkscreen, mask and mechanical layers (free items; w line width, h text height)
Top Overlay:
  drawing of 52 lines, arcs and shapes, not listed
  text "9b" at 34.62,20 h1
  text "19.2" at 39.62,20 h1
  text "38.4" at 45.12,20 h1
  text "8b" at 31.32,19.96 h1
  text "WIM" at 59.1,19.1 h2.5 r12
  text "+" at 54.177,10.098 h3 r180
  text "+" at 48.377,10.048 h3 r180
  text "+" at 54.177,3.998 h3 r180
  text "+" at 48.377,3.948 h3 r180
  text "AREA 3001" at 44.65,-1.94 h1.8
  text "knixx_fez_00" at 42.65,-3.94 h2
  text "SN" at 42.65,-6.29 h2
  text "PHYS ADDR" at 44.42,-8.94 h2
  text "KNIXX" at 5.2,-13.5 h10 r9
  text "+" at 48.3,-13.65 h3 r180
  text "+" at 54.05,-13.65 h3 r180
  text "+" at 54.05,-15.775 h3 r180
  text "+" at 48.25,-15.825 h3 r180
  text "Fez" at 15.5,-19.6 h10 r9
  text "+" at 54.05,-21.875 h3 r180
  text "+" at 48.25,-21.925 h3 r180
  text ".Layer_Name" at 305.5,-54 h3.5
Bottom Overlay:
  lines w0.15: 6.2,16.96 ccw(c6.7,16.96) 6.7,16.46 18.45,16.46 ccw(c18.45,16.96) 18.95,16.96 18.95,18.46 ccw(c18.45,18.46) 18.45,18.96 6.7,18.96 ccw(c6.7,18.46) 6.2,18.46 6.2,16.96 ; 24.13,16.96 ccw(c24.63,16.96) 24.63,16.46 40.38,16.46 ccw(c40.38,16.96) 40.88,16.96 40.88,18.46 ccw(c40.38,18.46) 40.38,18.96 24.63,18.96 ccw(c24.63,18.46) 24.13,18.46 24.13,16.96
  text "AREA 3001" at 20.35,21.56 h1.8
  text "knixx_fez_00" at 22.35,19.56 h2
  text "PHYS ADDR" at 38.58,19.56 h2
  text "SN" at 22.35,17.21 h2
  text "KNIXX" at 53.5,11.7 h10 r9
  text "WP" at 1.939,9.382 h1 r315
  text "Fez" at 46.5,3.5 h10 r9
  text ".Layer_Name" at 305.5,-54 h3.5
Top Paste:
  text ".Layer_Name" at 305.5,-54 h3.5
Bottom Paste:
  text ".Layer_Name" at 305.5,-54 h3.5
Top Solder:
  text ".Layer_Name" at 305.5,-54 h3.5
Bottom Solder:
  lines w0.7: 7,0 58,0
  text ".Layer_Name" at 305.5,-54 h3.5
Drill Guide:
  text ".Layer_Name" at 305.5,-54 h3.5
3D Symbols:
  text ".Layer_Name" at 305.5,-54 h3.5
Outline:
  the board outline again, w0.1
Comments:
  lines w0.15: 2,-22.5 3.5,-22.5 ; 3.5,-24 3.5,-22.5 ; 3.5,-21 3.5,-22.5 ; 5,-22.5 3.5,-22.5 ; 60,-22.5 61.5,-22.5 ; 61.5,-24 61.5,-22.5 ; 61.5,-21 61.5,-22.5 ; 63,-22.5 61.5,-22.5
  lines w0.5: 31.5,26.5 33.5,26.5 ; 32.5,25.5 32.5,27.5
  text "Center point" at 24,27.7 h1.52
  text ".Layer_Name" at 305.5,-54 h3.5
Fabrication:
  text ".Layer_Name" at 305.5,-54 h3.5
Placebound Top:
  text ".Layer_Name" at 305.5,-54 h3.5
Placebound Bottom:
  text ".Layer_Name" at 305.5,-54 h3.5
Frame:
  drawing of 15 lines, arcs and shapes, not listed
  text "Document" at 301,-39 h2
  text ".PCB_TITLE" at 302.5,-44.5 h4
  text "Layer Name" at 301,-49 h2
  text "Date" at 301,-59 h2
  text "Rev" at 341,-59 h2
  text ".Print_Date" at 304,-64.5 h3.5
  text ".PCB_REV" at 345.5,-64.5 h4
  text "Desginer" at 251,-69 h2
  text "Document" at 301,-69 h2
  text ".Pcb_File_Name_No_Path" at 302.5,-74 h1.5
  text ".PCB_ENGINEER" at 255.5,-74.5 h4
Assembly Top:
  text ".Layer_Name" at 305.5,-54 h3.5
Assembly Bottom:
  text ".Layer_Name" at 305.5,-54 h3.5
Drill Drawing:
  text ".legend" at 89.1,-14.2 h2
  text ".Layer_Name" at 305.5,-54 h3.5

## Dimensions
62,27 to 68,32 on Fabrication
3.5,-22.5 to 3,-26 on Drill Drawing
0,-23 to 3.5,-22.5 on Drill Drawing
0,-23 to 65,-23 on Fabrication
3,30 to 3,-26 on Fabrication

## Text inside footprints (layer, text, board x,y; h text height)
C16: Assembly Top "+" at 62.6,17.9 h1.5 r270; Top Overlay "+" at 62.6,17.9 h1.5 r270
CON1: Assembly Top "RED" at 54,9.5 h0.8 r180; Assembly Top "BLK" at 48.25,9.5 h0.8 r180; Assembly Top "WIRE SIDE" at 53.75,1.5 h0.8 r180
CON2: Assembly Top "WIRE SIDE" at 53.75,-24.5 h0.8 r180; Assembly Top "BLK" at 48.25,-16.5 h0.8 r180; Assembly Top "RED" at 54,-16.5 h0.8 r180